# Altium PCB IOT_V1.3.PcbDoc (part 2 of 2)
Units mil, origin at the board's own origin, x right, y up, seen from the top; angles counter-clockwise.
Board outline 3405.51 x 3937.01 mil, 2 copper layers (Top Layer, Bottom Layer); 138 components, 122 nets, 485 pads, 475 vias.
Unrouted connection lines stored in the file: 52.
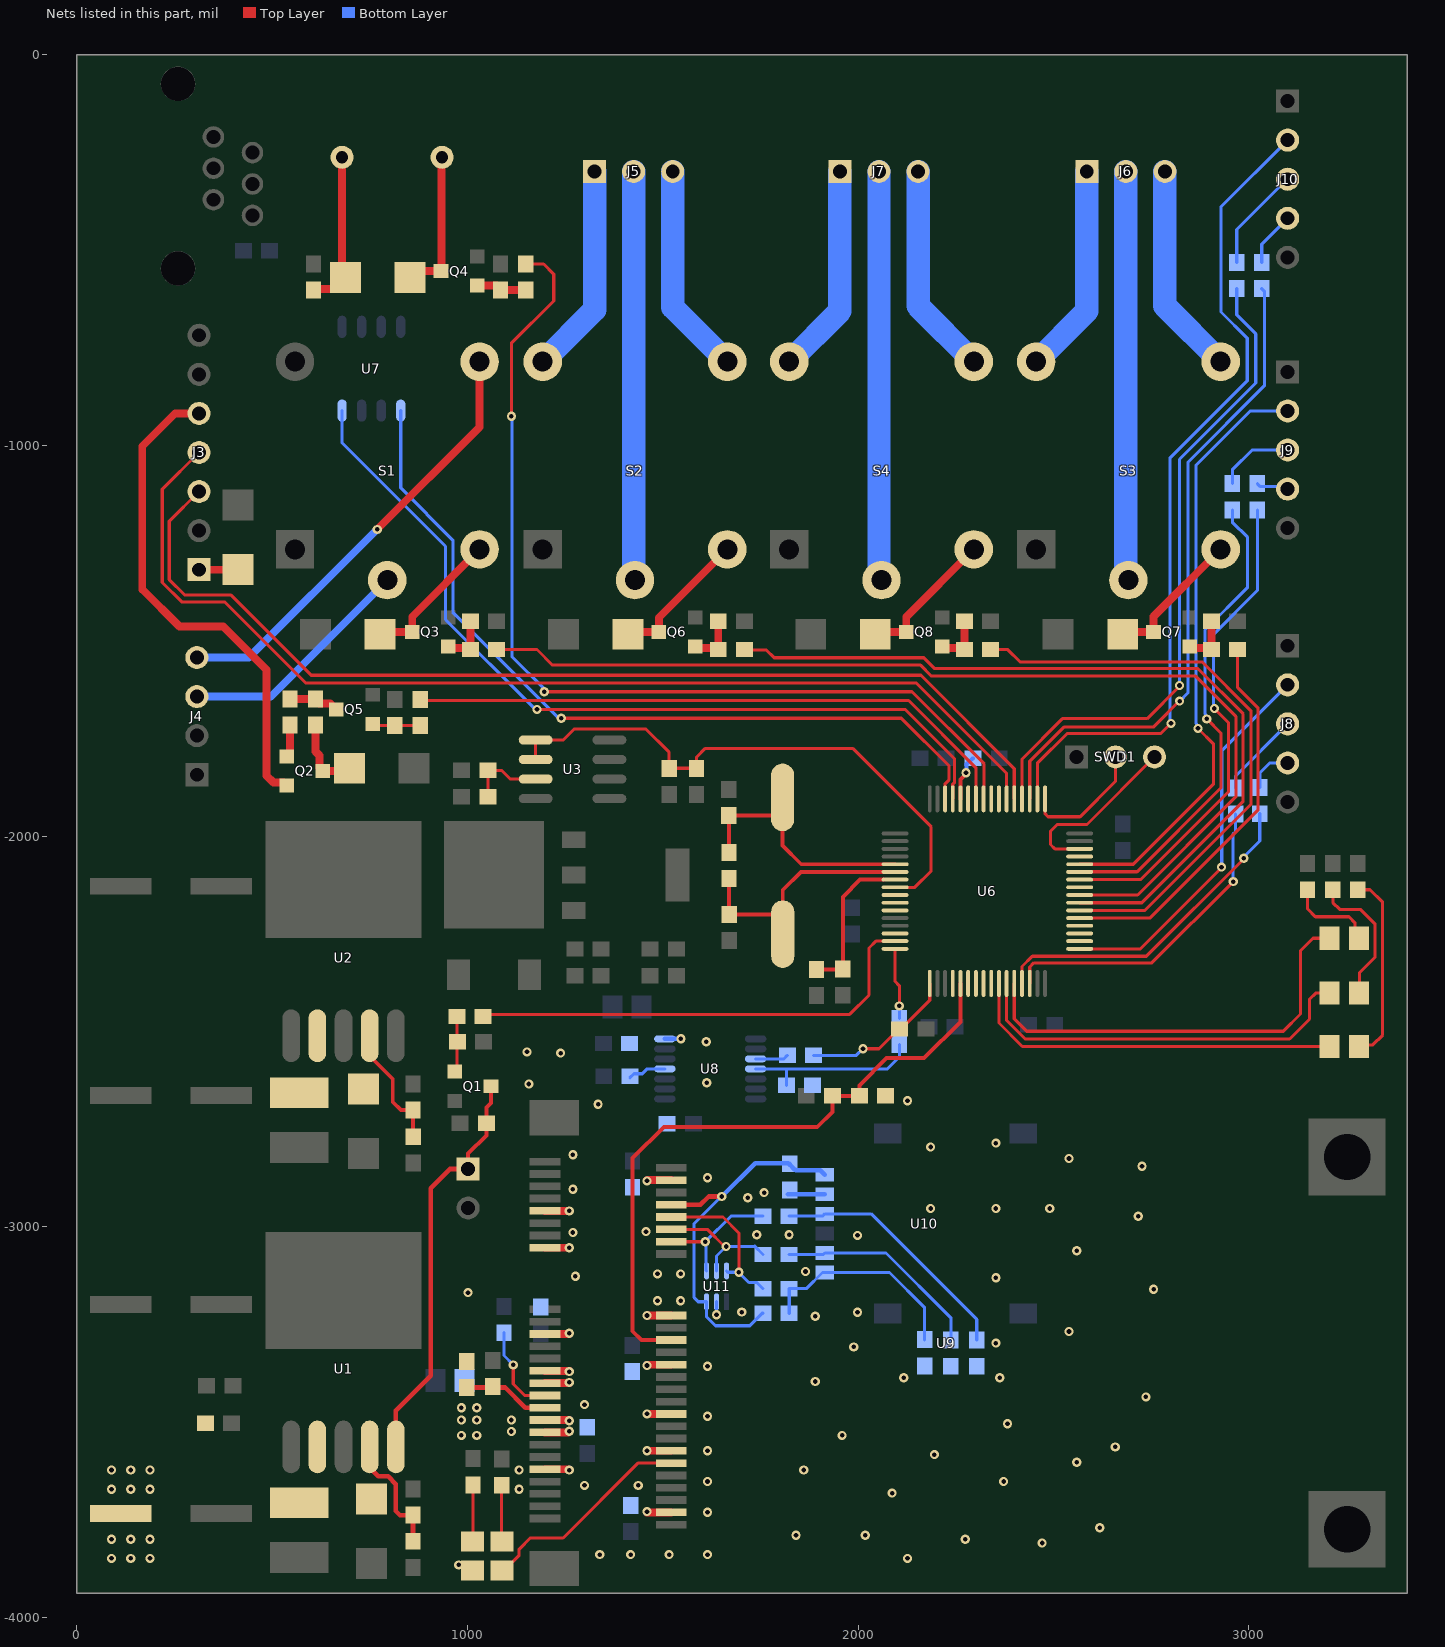
[diagram p2: the nets of this part, all layers, seen from the top]

## Via types
v1: diameter 23.62, hole 11.81, Top Layer to Bottom Layer, tented both sides, 475 vias

## Nets (pads, with @x,y where several pads share a name; then routed paths per layer and width w, separated by ;. In a path a pad name is that pad's centre, name@x,y a point inside that pad or via, vN(x,y) a via of type N, cw(c..) or ccw(c..) an arc to the next point about the centre after c; other vN are vias at no path point) (continued)
GND_4G: C3.2 C4.1 C22.1 C23.2 C24.1 C25.1 C26.2 C27.2 C28.1 C29.1 C30.1 C31.1 C32.1 C33.1 C34.2 D2.2 R6.2 R23.1 U8.7 U9.4 U9.9 U9.15 U9.18 U9.21 U9.26 U9.27 U9.29 U9.34 U9.35 U9.37 U9.40 U9.43 U9.50 U10.4 U11.2 | length 1038.3
  Top Layer w20: U9.43@1198.3,-3620.27 v1@1260.31,-3620.27 ; U9.37@1198.3,-3525.78 1257.31,-3525.78 v1(1260.31,-3522.78) ; U9.35@1198.3,-3494.29 v1@1260.31,-3494.29 ; U9.29@1198.3,-3399.8 v1@1260.31,-3399.8 ; U9.27@1198.3,-3368.3 v1@1260.31,-3368.3 ; U9.21@1198.3,-3273.81 v1@1260.31,-3273.81 ; U9.15@1198.3,-3053.34 v1(1260.31,-3053.34) ; U9.9@1198.3,-2958.85 v1(1260.31,-2958.85) ; v1@1459.11,-3730.51 U9.50@1521.13,-3730.51 ; v1(1459.11,-3573.03) U9.40@1521.13,-3573.03 ; v1(1459.11,-3478.54) U9.34@1521.13,-3478.54 ; v1@1459.11,-3352.55 U9.26@1521.13,-3352.55 ; v1(1459.11,-3226.57) U9.18@1521.13,-3226.57 ; v1@1459.11,-2880.11 U9.4@1521.13,-2880.11
  Bottom Layer w8: v1(1637.27,-3224.77) U11.2@1637.27,-3191.38
  Bottom Layer w12: U8.7@1504.95,-2518.52 v1(1545.95,-2518.52) ; C23.2@1820,-2916.48 U10.4@1914.43,-2916.48
  other v1: 977.5,-3865 88.58,-3848.43 137.8,-3848.43 187.01,-3848.43 2125.98,-3848.43 1338.58,-3838.58 1417.32,-3838.58 1515.75,-3838.58 1614.17,-3838.58 2470.47,-3809.06 88.58,-3799.21 137.8,-3799.21 187.01,-3799.21 2273.62,-3799.21 1840.55,-3789.37 2017.72,-3789.37 2618.11,-3769.68 1614.17,-3730.31 1459.11,-3728.51 2086.61,-3681.1 88.58,-3671.26 137.8,-3671.26 187.01,-3671.26 1131.89,-3671.26 1299.21,-3661.42 1437.01,-3661.42 1614.17,-3651.57 2372.05,-3651.57 88.58,-3622.05 137.8,-3622.05 187.01,-3622.05 1131.89,-3622.05 1260.31,-3622.27 1860.24,-3622.05 2559.06,-3602.36 2194.88,-3582.68 1614.17,-3572.83 2657.48,-3562.99 984.25,-3533.46 1023.62,-3533.46 1958.66,-3533.46 1112.2,-3523.62 2381.89,-3503.94 1260.31,-3496.29 984.25,-3494.09 1023.62,-3494.09 1112.2,-3494.09 1614.17,-3484.25 984.25,-3462.72 1023.62,-3462.72 1299.21,-3454.72 2736.22,-3435.04 1260.31,-3397.8 1889.76,-3395.67 2116.14,-3385.83 2362.2,-3385.83 1260.31,-3370.3 1614.17,-3356.3 1459.11,-3354.55 1988.19,-3307.09 2352.36,-3297.24 1260.31,-3271.81 2539.37,-3267.72 1889.76,-3228.35 1998.03,-3218.5 1702,-3218 1486.22,-3188.98 1545.28,-3188.98 1001,-3168 2755.91,-3159.45 2352.36,-3129.92 1276,-3126 1486.22,-3120.08 1545.28,-3120.08 1865,-3114 2559.06,-3061.02 1998.03,-3021.65 1740,-3020 1823,-3020 1269.69,-3014.16 1456.69,-3011.81 2716.54,-2972.44 2185.04,-2952.76 2352.36,-2952.76 2490.16,-2952.76 1717,-2925 1759,-2912 1269.69,-2903.54 1459.11,-2882.11 1614.17,-2874.02 2726.38,-2844.49 2539.37,-2824.8 1269.69,-2814.96 2185.04,-2795.28 2352.36,-2785.43 1334,-2686 2126,-2677 1157,-2634 1612,-2631 1238,-2555 1152,-2552 1611,-2526
NetC14_2: C14.2 R14.2 U6.5 Y1.2 | length 672.5
  Top Layer w10: R14.2@1669.07,-2041.03 1669.07,-1947.77 C14.2@1668.5,-1947.21 1783.67,-1947.21 Y1.2@1806.33,-1924.55 ; Y1.2@1806.33,-1900.31 Y1.2@1806.33,-1924.55 ; U6.5@2094.28,-2071.6 1854.1,-2071.6 1806.33,-2023.83 Y1.2@1806.33,-1924.55
NetC15_2: C15.2 R14.1 U6.6 Y1.1 | length 658.1
  Top Layer w10: R14.1@1669.07,-2107.96 1669.07,-2198.94 C15.2@1669.94,-2199.8 1784.01,-2199.8 Y1.1@1806.67,-2222.46 ; Y1.1@1806.67,-2250.7 Y1.1@1806.67,-2222.46 ; U6.6@2094.28,-2091.28 1853.22,-2091.28 1806.67,-2137.83 Y1.1@1806.67,-2222.46
NetC16_2: C16.2 R16.2 U6.7 | length 375.5
  Top Layer w10: R16.2@1892.99,-2341 1959.57,-2341 C16.2@1960.49,-2340.08 1960.5,-2155 2004.54,-2110.97 U6.7@2064.83,-2110.97
NetC24_2: C24.2 R24.2 U10.2 | length 647.2
  Bottom Layer w8: R24.2@1823.19,-2972.34 1908.58,-2972.34 U10.2@1914.43,-2966.48 2032.99,-2966.48 2303.11,-3236.61 C24.2@2303.11,-3289.58
NetC25_2: C25.2 R25.2 U10.3 | length 541.4
  Bottom Layer w8: R25.2@1823.19,-3070.57 1910.35,-3070.57 U10.3@1914.43,-3066.48 2070.99,-3066.48 2237.04,-3232.54 C25.2@2237.04,-3289.58
NetC26_1: C26.1 R26.2 R27.1 U10.6 | length 546.5
  Bottom Layer w8: R27.1@1823.19,-3221.03 R26.2@1823.19,-3157.8 1867.21,-3157.8 1908.53,-3116.48 U10.6@1914.43,-3116.48 2079.99,-3116.48 2169.9,-3206.39 C26.1@2169.9,-3288.58
NetD1_2: D1.2 L1.1 U1.2
NetD2_1: D2.1 R2.1 | length 145.3
  Top Layer w8: D2.1@1012.85,-3805 1013.83,-3804.02 R2.1@1013.83,-3660.1
NetD3_2: D3.2 L2.1 U2.2
NetD4_1: D4.1 R17.2 | length 489.2
  Top Layer w8: R17.2@3278.88,-2136.94 3309.94,-2136.94 3342,-2169 3342,-2509 3317,-2534 3285.27,-2534 D4.1@3281.26,-2538.01
NetD5_1: D5.1 R18.2 | length 357.7
  Top Layer w8: R18.2@3214.88,-2136.94 3214.88,-2169.88 3232,-2187 3285,-2187 3323,-2225 3323,-2309 3283,-2349 3283,-2399.73 D5.1@3281.26,-2401.47
NetD6_1: D6.1 R19.2 | length 228.6
  Top Layer w8: R19.2@3149.81,-2137.33 3149.81,-2185.8 3170,-2206 3256,-2206 3271,-2221 3271,-2250.84 D6.1@3281.26,-2261.1
NetD7_1: D7.1 R29.2 | length 144.4
  Top Layer w8: R29.2@1087.29,-3661.1 1087.29,-3803.79 D7.1@1088.5,-3805
NetD7_2: D7.2 U9.42 | length 582.9
  Top Layer w8: D7.2@1107.6,-3860.7 D7.2@1088.5,-3879.8 1092.43,-3879.8 1131.89,-3840.34 1131.89,-3824.61 1160.5,-3796 1244.5,-3796 1435.98,-3604.52 U9.42@1521.13,-3604.52
NetD8_2: D8.2 Q2.D R33.1 | length 196.8
  Top Layer w20: R33.1@610.66,-1715.53 610.66,-1783.16 620.99,-1793.49 620.99,-1825.16 628.71,-1832.88 Q2.D@629.69,-1832.88 690.84,-1832.88 D8.2@697.78,-1825.94
NetD9_2: D9.2 J3.1 | length 100
  Top Layer w20: J3.1@312.66,-1317.66 412.01,-1317.66 D9.2@412.5,-1317.17
NetD10_1: D10.1 Q3.3 S1.3 | length 367.5
  Top Layer w20: D10.1@776.13,-1483 782.02,-1477.12 Q3.3@858.28,-1477.12 858.28,-1438.1 S1.3@1030.72,-1265.65
NetD11_1: D11.1 LS1.2 Q4.3 | length 378.4
  Top Layer w20: D11.1@852.64,-569.94 869.42,-553.17 Q4.3@931.87,-553.17 933.26,-551.78 933.26,-263.5 LS1.2@934.66,-262.11
NetD11_2: D11.2 LS1.1 R32.1 | length 406.5
  Top Layer w20: R32.1@605.54,-602.16 608.38,-599.31 657.92,-599.31 D11.2@687.29,-569.94 678.75,-561.41 LS1.1@678.75,-262.11
NetD12_1: D12.1 Q6.3 S2.3 | length 365.4
  Top Layer w20: D12.1@1410.69,-1483 1416.57,-1477.12 Q6.3@1489.74,-1477.12 1489.74,-1440.64 S2.3@1664.72,-1265.65
NetD13_1: D13.1 Q7.3 S3.3 | length 364.2
  Top Layer w20: D13.1@2676.69,-1483 2682.57,-1477.12 Q7.3@2755.74,-1477.12 2755.74,-1437.64 S3.3@2927.72,-1265.65
NetD14_1: D14.1 Q8.3 S4.3 | length 364.6
  Top Layer w20: D14.1@2043.69,-1483 2049.57,-1477.12 Q8.3@2122.74,-1477.12 2122.74,-1438.64 S4.3@2295.72,-1265.65
NetJ1_1: J1.1 Q1.3 R4.2 U1.5 | length 1051.2
  Top Layer w10: J1.1@1001.43,-2851.44 1001.43,-2812.07 1047.93,-2765.58 R4.2@1047.93,-2734.8 1047.93,-2694.58 1060.02,-2682.48 Q1.3@1060.02,-2639.81
  Top Layer w12: U1.5@816.5,-3563 816.5,-3470 905.51,-3380.99 905.51,-2900.99 955.07,-2851.44 J1.1@1001.43,-2851.44
NetJ3_5: J3.5 Q2.S | length 1282.6
  Top Layer w20: J3.5@312.66,-917.66 251.84,-917.66 167.5,-1002 167.5,-1368 262.5,-1463 374.5,-1463 485.5,-1574 485.5,-1845 503.07,-1862.57 529.46,-1862.57 Q2.S@537.17,-1870.28
NetJ4_3: J4.3 S1.2 | length 616.3
  Top Layer w20: S1.2@790.69,-1340.57 S1.2@794.5,-1344.39
  Bottom Layer w20: J4.3@307.12,-1642.5 496.4,-1642.5 S1.2@794.5,-1344.39
NetJ4_4: J4.4 S1.4 | length 1131.5
  Top Layer w20: v1(769,-1214.5) 1030.72,-952.78 S1.4@1030.72,-785.34
  Bottom Layer w20: J4.4@307.12,-1542.5 440.01,-1542.5 v1@766,-1216.5
NetJ5_1: J5.1 S2.6 | length 541.8
  Bottom Layer w60: S2.6@1192.28,-785.34 1325.01,-652.61 J5.1@1325.01,-298.47
NetJ5_2: J5.2 S2.2 | length 1047.4
  Bottom Layer w60: J5.2@1425.01,-298.47 1425.01,-1340.9 S2.2@1428.5,-1344.39
NetJ5_3: J5.3 S2.4 | length 544.7
  Bottom Layer w60: J5.3@1525.01,-298.47 1525.01,-645.62 S2.4@1664.72,-785.34
NetJ6_1: J6.1 S3.6 | length 540.6
  Bottom Layer w60: S3.6@2455.28,-785.34 2585.01,-655.61 J6.1@2585.01,-298.47
NetJ6_2: J6.2 S3.2 | length 1048.6
  Bottom Layer w60: J6.2@2685.01,-298.47 2685.01,-1337.9 S3.2@2691.5,-1344.39
NetJ6_3: J6.3 S3.4 | length 546
  Bottom Layer w60: J6.3@2785.01,-298.47 2785.01,-642.62 S3.4@2927.72,-785.34
NetJ7_1: J7.1 S4.6 | length 540.6
  Bottom Layer w60: S4.6@1823.28,-785.34 1953.01,-655.61 J7.1@1953.01,-298.47
NetJ7_2: J7.2 S4.2 | length 1048.6
  Bottom Layer w60: J7.2@2053.01,-298.47 2053.01,-1337.9 S4.2@2059.5,-1344.39
NetJ7_3: J7.3 S4.4 | length 546
  Bottom Layer w60: J7.3@2153.01,-298.47 2153.01,-642.62 S4.4@2295.72,-785.34
NetJ8_3: J8.3 R50.1 | length 219.3
  Bottom Layer w8: R50.1@2965.83,-1876.5 2965.83,-1845.57 J8.3@3099.03,-1712.36
NetJ8_4: J8.4 R47.1 | length 119.6
  Bottom Layer w8: R47.1@3027.51,-1875.5 3027.51,-1837.99 3053.14,-1812.36 J8.4@3099.03,-1812.36
NetJ9_3: J9.3 R51.1 | length 198
  Bottom Layer w8: R51.1@2957.64,-1097.5 2957.64,-1061.87 3008.14,-1011.36 J9.3@3099.03,-1011.36
NetJ9_4: J9.4 R48.1 | length 83.2
  Bottom Layer w8: R48.1@3021.57,-1097.5 3029.07,-1105 3092.67,-1105 J9.4@3099.03,-1111.36
NetJ10_3: J10.3 R52.1 | length 268.3
  Bottom Layer w8: R52.1@2968.7,-531.5 2968.7,-446.8 3097.26,-318.24 J10.3@3099.03,-318.24
NetJ10_4: J10.4 R49.1 | length 140.7
  Bottom Layer w8: R49.1@3032.76,-531.5 3032.76,-484.51 J10.4@3099.03,-418.24
NetQ1_1: Q1.1 R5.2 R7.1 | length 143.5
  Top Layer w8: Q1.1@967.5,-2602.41 973,-2596.91 R5.2@973,-2461.2
NetQ2_G: Q2.G R34.2 | length 83.7
  Top Layer w20: Q2.G@537.17,-1795.48 537.69,-1795.48 545.41,-1787.76 R34.2@545.41,-1715.53
NetQ3_1: Q3.1 R35.1 R38.2 | length 131.6
  Top Layer w20: Q3.1@950.8,-1514.52 954.59,-1518.3 1003.37,-1518.3 R35.1@1007.15,-1522.09 R38.2@1007.15,-1449.97
NetQ4_1: Q4.1 R36.1 R39.2 | length 130.2
  Top Layer w20: Q4.1@1024.39,-590.58 1074.72,-590.58 1084.41,-600.26 R39.2@1084.41,-602.16 R36.1@1148.66,-602.16
NetQ5_D: Q5.D R33.2 R34.1 | length 131.1
  Top Layer w20: R34.1@545.41,-1648.6 R33.2@610.66,-1648.6 610.66,-1650.57 620.35,-1660.25 648.35,-1660.25 663.32,-1675.21 Q5.D@664.3,-1675.21
NetQ5_G: Q5.G R37.1 R40.2 | length 123.3
  Top Layer w8: Q5.G@756.82,-1712.61 760.73,-1716.53 R40.2@814.01,-1716.53 R37.1@878.54,-1716.53
NetQ6_1: Q6.1 R41.1 R44.2 | length 127
  Top Layer w20: Q6.1@1582.26,-1514.52 1586.04,-1518.3 1637.75,-1518.3 1641.54,-1514.52 R44.2@1641.54,-1449.97
NetQ7_1: Q7.1 R42.1 R45.2 | length 131
  Top Layer w20: Q7.1@2848.26,-1514.52 2852.04,-1518.3 2900.26,-1518.3 R42.1@2904.04,-1522.09 R45.2@2904.04,-1449.97
NetQ8_1: Q8.1 R43.1 R46.2 | length 131.5
  Top Layer w20: Q8.1@2215.26,-1514.52 2219.04,-1518.3 2267.75,-1518.3 R43.1@2271.54,-1522.09 R46.2@2271.54,-1449.97
NetR1_2: R1.2 R3.2 U1.4 | length 321.3
  Top Layer w12: U1.4@749.5,-3563 749.5,-3615.89 771.57,-3637.96 796.47,-3637.96 816.5,-3658 816.5,-3727 827.06,-3737.56 R1.2@860.24,-3737.56 R3.2@860.24,-3804.41
NetR8_2: R8.2 R9.2 U2.4 | length 322.5
  Top Layer w10: U2.4@749.5,-2510.65 749.5,-2562 808.5,-2621 808.5,-2680 829.32,-2700.81 R8.2@860.24,-2700.81 860.5,-2701.08 R9.2@860.5,-2769.03
NetR10_1: R10.1 R11.2 U3.3 | length 199.1
  Top Layer w8: R10.1@1051.84,-1898.97 R11.2@1051.84,-1831.42 1086.92,-1831.42 1109.08,-1853.57 U3.3@1174.22,-1853.57
NetR15_2: R15.2 U6.60 | length 118.4
  Top Layer w10: U6.60@2261.61,-1904.28 2261.61,-1854.83 2275.69,-1840.74 v1(2275.69,-1837.38)
  Bottom Layer w10: v1(2275.69,-1837.38) 2277.31,-1835.77 2277.31,-1815.12 2291.99,-1800.43 R15.2@2293.96,-1800.43
NetR21_2: R21.2 U8.4 | length 99
  Bottom Layer w8: R21.2@1415.48,-2618.37 1425.86,-2607.99 1447.01,-2607.99 1459.71,-2595.29 U8.4@1504.95,-2595.29
NetR22_1: R22.1 U8.10 | length 84.9
  Bottom Layer w8: U8.10@1737.23,-2569.7 1809.75,-2569.7 R22.1@1818.5,-2560.95
NetR28_1: R28.1 U9.31 | length 234.6
  Top Layer w8: v1(1117,-3353) 1117,-3402 1146.3,-3431.3 U9.31@1198.3,-3431.3
  Bottom Layer w8: R28.1@1093.12,-3270.75 1093.12,-3329.12 v1(1117,-3353)
PA0: U6.14
PA1: R5.1 U6.15 | length 1204.8
  Top Layer w8: R5.1@1039.93,-2461.2 1045.13,-2456 1978,-2456 2027.5,-2406.5 2027.5,-2286 2045.06,-2268.45 U6.15@2094.28,-2268.45
PA2: R13.1 U6.16 | length 182.1
  Top Layer w8: U6.16@2094.28,-2288.13 2094.28,-2371.72 2105.09,-2382.52 v1(2105.09,-2434.23)
  Bottom Layer w8: R13.1@2105.09,-2465.77 v1(2105.09,-2434.23)
PA3: C13.1 R22.2 U6.17 | length 398
  Top Layer w8: v1(2012,-2544) 2053.17,-2544 2103.97,-2493.2 C13.1@2105.93,-2493.2 ; C13.1@2107.86,-2495.13 2182.87,-2420.13 U6.17@2182.87,-2376.72
  Bottom Layer w8: R22.2@1885.43,-2560.95 1995.05,-2560.95 v1(2012,-2544)
PA4: U6.20
PA5: C34.1 R31.2 U6.21 U9.22 | length 1673.2
  Top Layer w10: U9.22@1521.13,-3289.56 1445.07,-3289.56 1422.5,-3267 1422.5,-2824 1502.5,-2744 1895,-2744 1933.71,-2705.29 R31.2@1933.71,-2664.03 1934.14,-2664.46 C34.1@2002.99,-2664.46 2002.99,-2637.51 2072.5,-2568 2168.5,-2568 2261.61,-2474.9 U6.21@2261.61,-2376.72
PA6: U6.22
PA7: U6.23
PA8: U6.41
PA9: R48.2 U6.42 | length 1257.7
  Top Layer w8: U6.42@2566.72,-2110.97 2722.54,-2110.97 2947.5,-1886 2947.5,-1709 v1(2911.5,-1673)
  Bottom Layer w8: v1(2911.5,-1673) 2909.5,-1671 2909.5,-1483 3021.57,-1370.93 R48.2@3021.57,-1164.43
PA10: R51.2 U6.43 | length 1240.8
  Top Layer w8: U6.43@2566.72,-2091.28 2567.29,-2090.72 2713.78,-2090.72 2928.5,-1876 2928.5,-1736 v1(2892,-1699.5)
  Bottom Layer w8: v1(2892,-1699.5) 2889.02,-1696.51 2889.02,-1688.51 2887.5,-1687 2887.5,-1472 2996.5,-1363 2996.5,-1235 2957.64,-1196.13 R51.2@2957.64,-1164.43
PA11: J9.2 U6.44 | length 1551.3
  Top Layer w8: U6.44@2566.72,-2071.6 2703.91,-2071.6 2909.65,-1865.86 2909.65,-1764.14 v1(2869.5,-1724)
  Bottom Layer w8: v1(2869.5,-1724) 2866.52,-1721.01 2866.52,-1713.51 2864.5,-1711.5 2864.5,-1050 3003.14,-911.36 J9.2@3095.71,-911.36
PA12: U6.45
PA15: J10.2 U6.50 | length 2149.9
  Top Layer w8: U6.50@2458.46,-1904.28 2458.46,-1813.05 2534.5,-1737 2774.5,-1737 v1(2800.39,-1711.11)
  Bottom Layer w8: v1(2800.39,-1711.11) 2797.5,-1708.23 2797.5,-1032 2995.5,-834 2995.5,-725 2928.5,-658 2928.5,-388.77 J10.2@3099.03,-218.24
PB0: D4.2 U6.26 | length 972.6
  Top Layer w8: U6.26@2360.03,-2376.72 2360.03,-2478.03 2420,-2538 D4.2@3206.46,-2538.01
PB1: D5.2 U6.27 | length 1019.9
  Top Layer w8: U6.27@2379.72,-2376.72 2379.72,-2471.72 2427,-2519 3104,-2519 3155,-2468 3155,-2417 3170.53,-2401.47 D5.2@3206.46,-2401.47
PB2: D6.2 U6.28 | length 1104.3
  Top Layer w8: U6.28@2399.4,-2376.72 2399.4,-2467.4 2431,-2499 3088,-2499 3132,-2455 3132,-2293 3163.9,-2261.1 D6.2@3206.46,-2261.1
PB3: U6.55
PB4: U6.56
PB5: R36.2 U6.57 | length 2531.6
  Top Layer w8: v1(1112.2,-925.2) 1112.2,-738.19 1220.47,-629.92 1220.47,-561.02 1194.68,-535.23 R36.2@1148.66,-535.23 ; v1@1196.32,-1622 v1(1196.32,-1630) 2137.5,-1630 2322.06,-1814.56 2322.06,-1872.85 2320.66,-1874.25 U6.57@2320.66,-1904.28
  Bottom Layer w8: v1(1112.2,-925.2) 1113.5,-926.5 1113.5,-1540 1196.32,-1622.81 v1(1196.32,-1630)
PB6: R37.2 U6.58 | length 1573.4
  Top Layer w8: R37.2@878.54,-1652.67 2129,-1652.67 2300.89,-1824.56 ; U6.58@2300.98,-1904.28 2300.98,-1824.47
PB7: U6.59
PB8_CAN_RX: U6.61 U7.4 | length 2199.4
  Top Layer w8: v1(1177.73,-1675.33) 2119.62,-1675.33 2246.5,-1802.22 2246.5,-1862 2241.92,-1866.58 U6.61@2241.92,-1904.28
  Bottom Layer w8: U7.4@678.87,-910.46 678.87,-993.36 943.5,-1258 943.5,-1445.47 1166.71,-1668.68 1166.85,-1668.68 1173.5,-1675.33 v1(1177.73,-1675.33)
PB9_CAN_TX: U6.62 U7.1 | length 2093.1
  Top Layer w8: v1(1239.73,-1698) 2110.23,-1698 2232.5,-1820.28 2232.5,-1855 2222.24,-1865.27 U6.62@2222.24,-1904.28
  Bottom Layer w8: U7.1@828.87,-910.46 828.87,-1108.36 962.5,-1242 962.5,-1427.03 1233.47,-1698 v1(1239.73,-1698)
PB10: R47.2 U6.29 | length 856.2
  Top Layer w8: U6.29@2419.09,-2376.72 2419.09,-2333.42 2445.5,-2307 2737.5,-2307 v1@2987.14,-2057.36
  Bottom Layer w8: v1(2986.52,-2055.98) 2986.52,-2052.98 3027.51,-2011.99 R47.2@3027.51,-1942.43
PB11: R50.2 U6.30 | length 828.5
  Top Layer w8: U6.30@2438.77,-2376.72 2438.77,-2334.73 2449.5,-2324 2751.5,-2324 v1(2959.5,-2116)
  Bottom Layer w8: v1(2959.5,-2116) 2959.5,-1994 2965.83,-1987.68 R50.2@2965.83,-1943.43
PB12: J8.2 U6.33 | length 987.1
  Top Layer w8: U6.33@2566.72,-2288.13 2722.37,-2288.13 2929.69,-2080.81 v1(2929.69,-2078.94)
  Bottom Layer w8: v1@2930.5,-2078.94 2930.5,-1780.89 J8.2@3099.03,-1612.36
PB13: U6.34
PB14: U6.35
PB15: U6.36
PC0: C7.2 C8.2 U3.1 U3.2 U6.8 | length 1483.7
  Top Layer w8: U3.2@1174.22,-1803.57 U3.1@1174.22,-1753.57 1244.93,-1753.57 1273.5,-1725 1455.5,-1725 1515.78,-1785.28 C8.2@1515.78,-1826 ; C8.2@1515.78,-1826.42 C8.2@1515.78,-1826 ; U6.8@2094.28,-2130.65 2144.85,-2130.65 2186.5,-2089 2186.5,-1976 1985.5,-1775 1608.5,-1775 1585.85,-1797.65 1585.85,-1826 C8.2@1515.78,-1826
PC1: U6.9
PC2: U6.10
PC3: U6.11
PC4: U6.24
PC5: U6.25
PC6: R42.2 U6.37 | length 1003.4
  Top Layer w8: U6.37@2566.72,-2209.39 2746.11,-2209.39 3023.5,-1932 3023.5,-1672 2970.97,-1619.46 R42.2@2970.97,-1522.09
PC7: R43.2 U6.38 | length 1521.9
  Top Layer w8: R43.2@2338.46,-1522.09 2338.59,-1522.21 2382.72,-1522.21 2414.5,-1554 2880.5,-1554 3004.98,-1678.48 3004.98,-1918.52 2733.8,-2189.71 U6.38@2566.72,-2189.71
PC8: R41.2 U6.39 | length 2094.6
  Top Layer w8: R41.2@1708.46,-1522.09 1709.59,-1523.21 1764.72,-1523.21 1784.5,-1543 2167.5,-1543 2195.5,-1571 2869.5,-1571 2985.18,-1686.68 2985.18,-1910.32 2725.48,-2170.02 U6.39@2566.72,-2170.02
PC9: R35.2 U6.40 | length 2673.1
  Top Layer w8: R35.2@1074.08,-1522.09 1177.59,-1522.09 1217.5,-1562 2159.5,-1562 2187.5,-1590 2863.5,-1590 2966.5,-1693 2966.5,-1899 2715.17,-2150.34 U6.40@2566.72,-2150.34
PC10: R49.2 U6.51 | length 1699.5
  Top Layer w8: U6.51@2438.77,-1904.28 2438.77,-1807.93 2526.14,-1720.56 2754.94,-1720.56 v1@2827.5,-1648
  Bottom Layer w8: v1(2822.5,-1654) 2843.9,-1632.6 2843.9,-1042.6 3039.4,-847.1 3039.4,-605.07 R49.2@3032.76,-598.43
PC11: R52.2 U6.52 | length 1701
  Top Layer w8: U6.52@2419.09,-1904.28 2419.09,-1802.42 2522.5,-1699 2739.5,-1699 2822.09,-1616.41 v1(2822.09,-1614)
  Bottom Layer w8: v1(2822.09,-1614) 2822.09,-1035.41 3017.5,-840 3017.5,-714 2968.7,-665.2 R52.2@2968.7,-598.43
PC12: J3.3 U6.53 | length 2697.6
  Top Layer w8: J3.3@312.66,-1117.66 236.5,-1193.82 236.5,-1343 275.5,-1382 393.5,-1382 599.5,-1588 2160.5,-1588 2399.4,-1826.9 U6.53@2399.4,-1904.28
PD2: J3.4 U6.54 | length 2800.5
  Top Layer w8: J3.4@312.66,-1017.66 218.5,-1111.82 218.5,-1350.46 268.05,-1400 377.71,-1400 585.05,-1607.33 2147.78,-1607.33 2379.72,-1839.27 U6.54@2379.72,-1904.28
RST_KEY: C33.2 R30.1 U9.33 | length 221.6
  Top Layer w12: C33.2@998.18,-3410.91 1095.91,-3410.91 1147.79,-3462.79 U9.33@1198.3,-3462.79
SIM: C23.1 R27.2 U9.8 U10.1 U11.3 | length 980.1
  Top Layer w12: U9.8@1521.13,-2943.11 1595.97,-2943.11 1617.08,-2922 v1(1650.77,-2922)
  Bottom Layer w8: v1(1650.77,-2922) 1649.29,-2922 1580,-2991.29 1580,-3181 1590.38,-3191.38 U11.3@1611.68,-3191.38 1611.68,-3230.18 1634.5,-3253 1722.33,-3253 1754.3,-3221.03 R27.2@1756.26,-3221.03
  Bottom Layer w12: v1(1650.77,-2922) 1736.05,-2836.72 1820.73,-2836.72 1822.19,-2838.18 C23.1@1824.16,-2838.18 ; C23.1@1824.16,-2840.15 1837.85,-2853.84 1839.81,-2853.84 1840.74,-2854.76 1902.72,-2854.76 U10.1@1914.43,-2866.48
SIM_CLK: R25.1 U9.12 U11.5 | length 335
  Top Layer w8: U9.12@1521.13,-3006.1 1613.6,-3006.1 1657.5,-3050 v1(1661.63,-3050)
  Bottom Layer w8: U11.5@1637.27,-3112.64 1637.27,-3074.35 v1(1661.63,-3050) 1734.58,-3050 1735.14,-3049.44 R25.1@1756.26,-3070.57
SIM_DATA: R26.1 U9.10 U11.6 | length 403.2
  Top Layer w8: U9.10@1521.13,-2974.6 1653.6,-2974.6 1694.5,-3015.5 v1(1694.5,-3116)
  Bottom Layer w8: U11.6@1662.87,-3112.64 1666.22,-3116 v1(1694.5,-3116) 1694.5,-3116.5 1720.11,-3142.11 1740.58,-3142.11 R26.1@1756.26,-3157.8
SIM_RST: R24.1 U9.14 U11.4 | length 338.5
  Top Layer w8: U9.14@1521.13,-3037.59 1521.54,-3038 v1(1608.5,-3038)
  Bottom Layer w8: U11.4@1611.68,-3112.64 1610.2,-3111.15 1610.2,-3039.69 v1(1608.5,-3038) 1674.17,-2972.34 R24.1@1756.26,-2972.34
SWDCLK: SWD1.2 U6.49 | length 323.6
  Top Layer w8: U6.49@2478.14,-1904.28 2478.14,-1942.64 2485.5,-1950 2568,-1950 2658.01,-1859.99 SWD1.2@2658.01,-1795
SWDIO: SWD1.3 U6.46 | length 458.5
  Top Layer w8: U6.46@2566.72,-2032.23 2503.23,-2032.23 2492,-2021 2492,-1987 2509,-1970 2585.29,-1970 SWD1.3@2758.38,-1796.91
TXD2: C22.2 R13.2 U8.11 | length 455.1
  Bottom Layer w8: U8.11@1737.23,-2595.29 1816.36,-2595.29 ; C22.2@1816.36,-2637.77 1816.36,-2595.29 ; R13.2@2105.09,-2532.7 2105.09,-2564.91 2074.71,-2595.29 1816.36,-2595.29
pads on no net: J2. J2.1 J3.6 J3.7 S1.6 U3.5 U3.6 U3.7 U6.2 U6.3 U6.4 U7.5 U8.2 U8.3 U8.6 U8.9 U8.12 U8.13 U9.0 U9.1 U9.3 U9.5 U9.6 U9.7 U9.13 U9.16 U9.17 U9.19 U9.20 U9.25 U9.28 U9.30 U9.32 U9.36 U9.38 U9.44 U9.45 U9.46 U9.47 U9.48 U9.49 U9.51 U10.0 U10.5 U11.1

## Polygon pours and split planes (outlines as drawn)
3V8 on Top Layer "3V8_L01_P018" (solid, remove dead copper, pour order 18): 368.5,-3531 277.5,-3622 277.5,-3774 406.5,-3903 637.5,-3903 667.5,-3873 667.5,-3814 640.5,-3787 494.5,-3787 460.5,-3753 460.5,-3499 425.5,-3464 383.5,-3464 368.5,-3479
NetD1_2 on Top Layer "NETD1_2_L01_P019" (solid, remove dead copper, pour order 19): 592.5,-3628 560.5,-3660 499.5,-3660 489.5,-3670 489.5,-3743 511.5,-3765 764.5,-3765 794.5,-3735 794.5,-3658 788.5,-3652 673.5,-3652 638.5,-3617 638.5,-3506 625.5,-3493 604.5,-3493 592.5,-3505
NetD3_2 on Top Layer "NETD3_2_L01_P016" (solid, remove dead copper, pour order 16): 485.5,-2692 507.5,-2714 766.5,-2714 779.5,-2701 779.5,-2615 764.5,-2600 667.5,-2600 638.5,-2571 638.5,-2454 626.5,-2442 604.5,-2442 591.5,-2455 591.5,-2572 555.5,-2608 500.5,-2608 485.5,-2623
15V on Top Layer "15V_L01_P020" (solid, remove dead copper, pour order 20): 869.5,-2296 994.5,-2296 1017.5,-2319 1017.5,-2389 980.5,-2426 877.5,-2426 846.5,-2395 846.5,-2319
15V on Top Layer "Top Layer-15V" (solid, remove dead copper, pour order 24): 278.5,-3279 375.5,-3376 375.5,-3426 387.5,-3438 449.5,-3438 522.5,-3511 522.5,-3618 537.5,-3633 559.5,-3633 572.5,-3620 572.5,-3408 513.5,-3349 480.5,-3349 457.5,-3326 457.5,-2998 492.5,-2963 587.5,-2963 659.5,-2891 659.5,-2766 641.5,-2748 496.5,-2748 456.5,-2708 456.5,-2637 440.5,-2621 305.5,-2621 278.5,-2648
5V on Top Layer "5V_L01_P030" (solid, remove dead copper, pour order 30): 1114.5,-2381 1139.5,-2406 1273.5,-2406 1308.5,-2371 1308.5,-2168 1298.5,-2158 1245.5,-2158 1225.5,-2178 1225.5,-2262 1186.5,-2301 1128.5,-2301 1114.5,-2315
36V on Top Layer "36V_L01_P015" (solid, remove dead copper, pour order 15): 258.5,-1831 258.5,-2407 429.5,-2578 558.5,-2578 571.5,-2565 571.5,-2455 451.5,-2335 451.5,-1891 369.5,-1809 280.5,-1809
3V3 on Top Layer "3V3_L01_P031" (solid, remove dead copper, pour order 31): 1235.5,-2078 1235.5,-2117 1245.5,-2127 1435.5,-2127 1508.5,-2200 1508.5,-2376 1568.5,-2436 1911.5,-2436 1920.5,-2427 1920.5,-2391.94 1904.56,-2376 1650.5,-2376 1596.5,-2322 1596.5,-2031 1558.5,-1993 1393.5,-1993 1320.5,-2066 1247.5,-2066
GND_4G on Top Layer "GND_4G_T2" (solid, pour order 53): 0,-3464.57 0,-3937.01 433.07,-3937.01 433.07,-3464.57
AGND on Top Layer "AGND_T" (solid, pour order 51): 0,-3444.88 472.44,-3444.88 452.76,-3464.57 452.76,-3937.01 944.88,-3937.01 944.88,-3523.62 944.88,-3110.24 1062.99,-2992.13 1062.99,-2480.31 1397.64,-2480.31 1397.64,-2224.41 1220.47,-2047.24 1102.36,-1929.13 1102.36,-1555.12 3011.81,-1555.12 3011.81,-1220.47 2854.33,-1062.99 1574.8,-1062.99 1259.84,-748.03 1259.84,0 0,0
GND on Top Layer "GND_T" (solid, pour order 57): 2007.87,-2480.31 2204.72,-2677.17 3405.51,-2677.17 3405.51,-2480.32 3405.51,0 2913.39,0 2933.07,-19.68 2933.07,-1574.8 1122.05,-1574.8 1122.05,-1909.45 1417.32,-2204.72 1417.32,-2480.31
GND_4G on Top Layer "GND_4G_T1" (solid, pour order 58): 964.57,-3937.01 964.57,-3129.92 1082.68,-3011.81 1082.68,-2500 1988.19,-2500 2185.04,-2696.85 3405.51,-2696.85 3405.51,-3937.01
15V on Bottom Layer "15V_L02_P025" (solid, remove dead copper, pour order 25): 513.5,-2886 513.5,-2932 525.5,-2944 847.5,-2944 942.5,-2849 942.5,-2320 932.5,-2310 888.5,-2310 866.5,-2332 866.5,-2815 805.5,-2876 523.5,-2876
5V on Bottom Layer "5V_L02_P046" (solid, remove dead copper, pour order 46): 1189.5,-2384 1202.5,-2397 1246.5,-2397 1400.5,-2243 1400.5,-1498 1246.5,-1344 1246.5,-1213 1230.5,-1197 1160.5,-1197 1139.5,-1218 1139.5,-1374 1305.5,-1540 1305.5,-2189 1189.5,-2305
3V3 on Bottom Layer "3V3_L02_P045" (solid, remove dead copper, pour order 45): 3068.5,-530 3172.5,-634 3172.5,-1156 3150.5,-1178 3087.5,-1178 3069.5,-1196 3069.5,-1225 3086.5,-1242 3142.5,-1242 3172.5,-1272 3172.5,-1836 3125.5,-1883 3086.5,-1883 3068.5,-1901 3068.5,-1923 3112.5,-1967 3112.5,-2002 2768.5,-2346 2557.5,-2346 2529.5,-2318 2517.5,-2330 2517.5,-2429 2520.5,-2432 2548.5,-2404 2790.5,-2404 3232.5,-1962 3232.5,-605 3114.5,-487 3082.5,-487 3068.5,-501
3V3 on Bottom Layer "3V3_L02_P044" (solid, remove dead copper, pour order 44): 2695,-1946 2701,-1952 2701,-1988.13 2694.29,-1994 2584.5,-1994 2529.5,-2049 2529.5,-2502 2523.5,-2508 2482.5,-2508 2475.5,-2501 2475.5,-2429 2457.5,-2411 2294.5,-2411 2271.5,-2434 2271.5,-2508 2265.5,-2514 2233.5,-2514 2222.5,-2503 2222.5,-2427 2198.5,-2403 2073.5,-2403 2040.5,-2436 1819.5,-2436 1809.5,-2426 1807.5,-2424 1807.5,-2394 1819.5,-2382 1984.5,-2382 2010.5,-2356 2010.5,-2294 2006.5,-2290 1979.5,-2290 1960.5,-2271 1960.5,-2232 1964.5,-2228 2054.5,-2228 2129.5,-2153 2129.5,-1779 2142.5,-1766 2175.5,-1766 2187.5,-1778 2187.5,-2168 2065.5,-2290 2065.5,-2350 2074.5,-2359 2414.5,-2359 2466.5,-2307 2466.5,-2037 2557.5,-1946
3V8 on Bottom Layer "Bottom Layer-3V8" (solid, remove dead copper, pour order 38): 1341.5,-3759 1384.5,-3802 1449.5,-3802 1471.5,-3780 1471.5,-3758 1465.5,-3752 1392.5,-3752 1385.5,-3745 1385.5,-3715 1385.5,-3343 1398.5,-3330 1467.5,-3330 1472.5,-3325 1472.5,-3301 1448.5,-3277 1410.5,-3277 1385.5,-3252 1385.5,-2874 1401.5,-2858 1468.5,-2858 1473.5,-2853 1473.5,-2832 1447.5,-2806 1375.5,-2806 1342.5,-2839 1342.5,-3539 1333.5,-3548 1252.5,-3548 1243.5,-3557 1243.5,-3590 1251.5,-3598 1300.5,-3598 1335.5,-3633 1335.5,-3676 1313.5,-3698 1033.5,-3698 1031.5,-3700 738.5,-3700 643.5,-3795 434.5,-3795 415.5,-3814 415.5,-3866 443.5,-3894 660.5,-3894 794.5,-3760 1054.5,-3760 1054.5,-3759
AGND on Bottom Layer "AGND_B" (solid, pour order 55): 0,-3444.88 944.88,-3444.88 944.88,-3110.24 1062.99,-2992.13 1062.99,-2480.31 1397.64,-2480.32 1397.64,-2224.41 1102.84,-1929.61 1102.84,-1567.37 1102.36,-1566.89 1102.36,-1555.12 3011.81,-1555.12 3011.81,-1220.47 2854.33,-1062.99 1574.8,-1062.99 1259.84,-748.03 1259.84,0 0,0
GND on Bottom Layer "GND_B" (solid, pour order 56): 2007.87,-2480.31 2204.72,-2677.17 3405.51,-2677.17 3405.51,0 2913.39,0 2913.39,-1574.8 1122.05,-1574.8 1122.05,-1909.45 1417.32,-2204.72 1417.32,-2480.31
GND_4G on Bottom Layer "GND_4G_B" (solid, pour order 54): 1988.19,-2500 2185.04,-2696.85 3405.51,-2696.85 3405.51,-3937.01 0,-3937.01 0,-3464.57 964.57,-3464.57 964.57,-3129.92 1082.68,-3011.81 1082.68,-2500

## Keep-outs
Keep-Out Layer:
  the board outline again, w7.87

## Other copper
Bottom Layer:
  text "X.YM" at 3307.09,-2244.09 h118.11
  text "09/05" at 3326.77,-2421.26 h157.48
  text "IOT V1.3" at 3326.77,-2578.74 h157.48

## Silkscreen, mask and mechanical layers (free items; w line width, h text height)
Top Overlay:
  text "GND" at 2595.37,-1735.69 h86.61 r90
  text "CLK" at 2695.37,-1735.69 h86.61 r90
  text "DIO" at 2795.37,-1735.69 h86.61 r90
  text "2" at 3145,-2318 h86.61 r90
  text "1" at 3145,-2458 h86.61 r90
  text "0" at 3145,-2597 h86.61 r90
  text "PWR" at 972.3,-3770 h47.24
  text "NET" at 1053,-3770 h47.24
Bottom Overlay:
  lines w11.81: 24,-1446.85 364.17,-1446.85 364.17,-1938.98 ; 24,-1417.32 364.17,-1417.32 ; 24,-629.92 354.33,-629.92 364.17,-629.92 364.17,-1417.32 ; 936,-3918.02 3383.98,-3918.02 3383.98,-2688.98 2185.98,-2688.98 1982,-2485 1586.98,-2485 ; 1230.32,-22 1230.32,-344.49 1624.02,-344.49 1624.02,-22 ; 1860.24,-22 1860.24,-344.49 2253.94,-344.49 2253.94,-22 ; 2490.16,-22 2490.16,-344.49 2883.86,-344.49 ; 2555,-2688 2555,-2509.07 3057.51,-2006.56 ; 2883.86,-22 2883.86,-344.49 ; 2995,-1213 2995,-1351 2768,-1578 593,-1578 432.32,-1417.32 364.17,-1417.32 ; 2995,-955 2995,-735 ; 2995,-489 2995,-467.63 2995,-455.63 2883.86,-344.49 ; 3051.18,-492.13 3051.18,-22.31 3371.19,-22.31 3372.5,-21 ; 3051.52,-21.98 22.98,-21.98 22.98,-1939.02 ; 3054.66,-1843.97 3054.66,-1418.64 ; 3055.98,-1417.32 3375.98,-1417.32 ; 3057.51,-1973.97 3057.51,-2006.56 ; 3070.87,-610.24 3375.98,-610.24 ; 3375.98,-718.5 3051.18,-718.5 3051.18,-1307.74 3379.46,-1307.74 ; 3379.46,-2006.56 3057.51,-2006.56 ; 22.98,-1939.02 23.02,-1938.98 49.21,-1938.98 364.17,-1938.98 ; 22.98,-1939.02 22.98,-3918.02 153.98,-3918.02 1038,-3918.02 1038,-3034 1097.02,-2974.98 1097.02,-2485 1586.98,-2485 ; 364.17,-1938.98 1586.98,-1938.98 1586.98,-2389.98 1586.98,-2485
  text "GND" at 3278.65,-157.48 h86.61
  text "CLO" at 1288.08,-254.18 h86.61 r270
  text "COM" at 1388.08,-254.02 h86.61 r270
  text "OPN" at 1488.08,-254.02 h86.61 r270
  text "CLO" at 1916.08,-254.18 h86.61 r270
  text "COM" at 2016.08,-254.02 h86.61 r270
  text "OPN" at 2116.08,-254.02 h86.61 r270
  text "CLO" at 2548.08,-254.18 h86.61 r270
  text "COM" at 2648.08,-254.02 h86.61 r270
  text "OPN" at 2748.08,-254.02 h86.61 r270
  text "A15" at 3279.05,-255.91 h86.61
  text "RX4" at 3279.29,-354.33 h86.61
  text "TX4" at 3279.29,-462.6 h86.61
  text "3V3" at 3278.65,-561.02 h86.61
  text "NC" at 268.2,-754.59 h86.61
  text "GND" at 3278.65,-850.6 h86.61
  text "NC" at 268.2,-854.59 h86.61
  text "A11" at 3279.05,-949.02 h86.61
  text "LGT" at 268.2,-954.59 h86.61
  text "RX1" at 3279.29,-1047.45 h86.61
  text "RX5" at 268.6,-1053.02 h86.61
  text "TX5" at 268.85,-1151.44 h86.61
  text "TX1" at 3279.29,-1155.72 h86.61
  text "3V3" at 3278.65,-1254.14 h86.61
  text "GND" at 268.85,-1259.71 h86.61
  text "15V" at 268.2,-1358.13 h86.61
  text "GND" at 3278.65,-1551.6 h86.61
  text "OPN" at 262.67,-1579.42 h86.61
  text "B12" at 3279.05,-1650.02 h86.61
  text "COM" at 263.47,-1679.42 h86.61
  text "RX3" at 3279.29,-1748.45 h86.61
  text "GND" at 262.67,-1779.42 h86.61
  text "TX3" at 3279.29,-1850.39 h86.61
  text "36V" at 263.31,-1879.42 h86.61
  text "3V3" at 3278.65,-1955.14 h86.61
Bottom Solder:
  text "X.YM" at 3307.09,-2244.09 h118.11
  text "09/05" at 3326.77,-2421.26 h157.48
  text "IOT V1.3" at 3326.77,-2578.74 h157.48

## Dimensions
0,-3937.01 to 0,0 on Mechanical 1
3405.51,-3937.01 to 0,-3937.01 on Mechanical 1

## Text inside footprints (layer, text, board x,y; h text height)
LS1: Top Overlay "+" at 560.64,-212.9 h32